# Altium PCB BoardM.PcbDoc (part 5 of 6)
Units mil, origin at the board's own origin, x right, y up, seen from the top; angles counter-clockwise.
Board outline 5068.79 x 4143.89 mil, 4 copper layers (Top Layer, GND, VCC, Bottom Layer); 308 components, 198 nets, 1036 pads, 534 vias.
Unrouted connection lines stored in the file: 1.
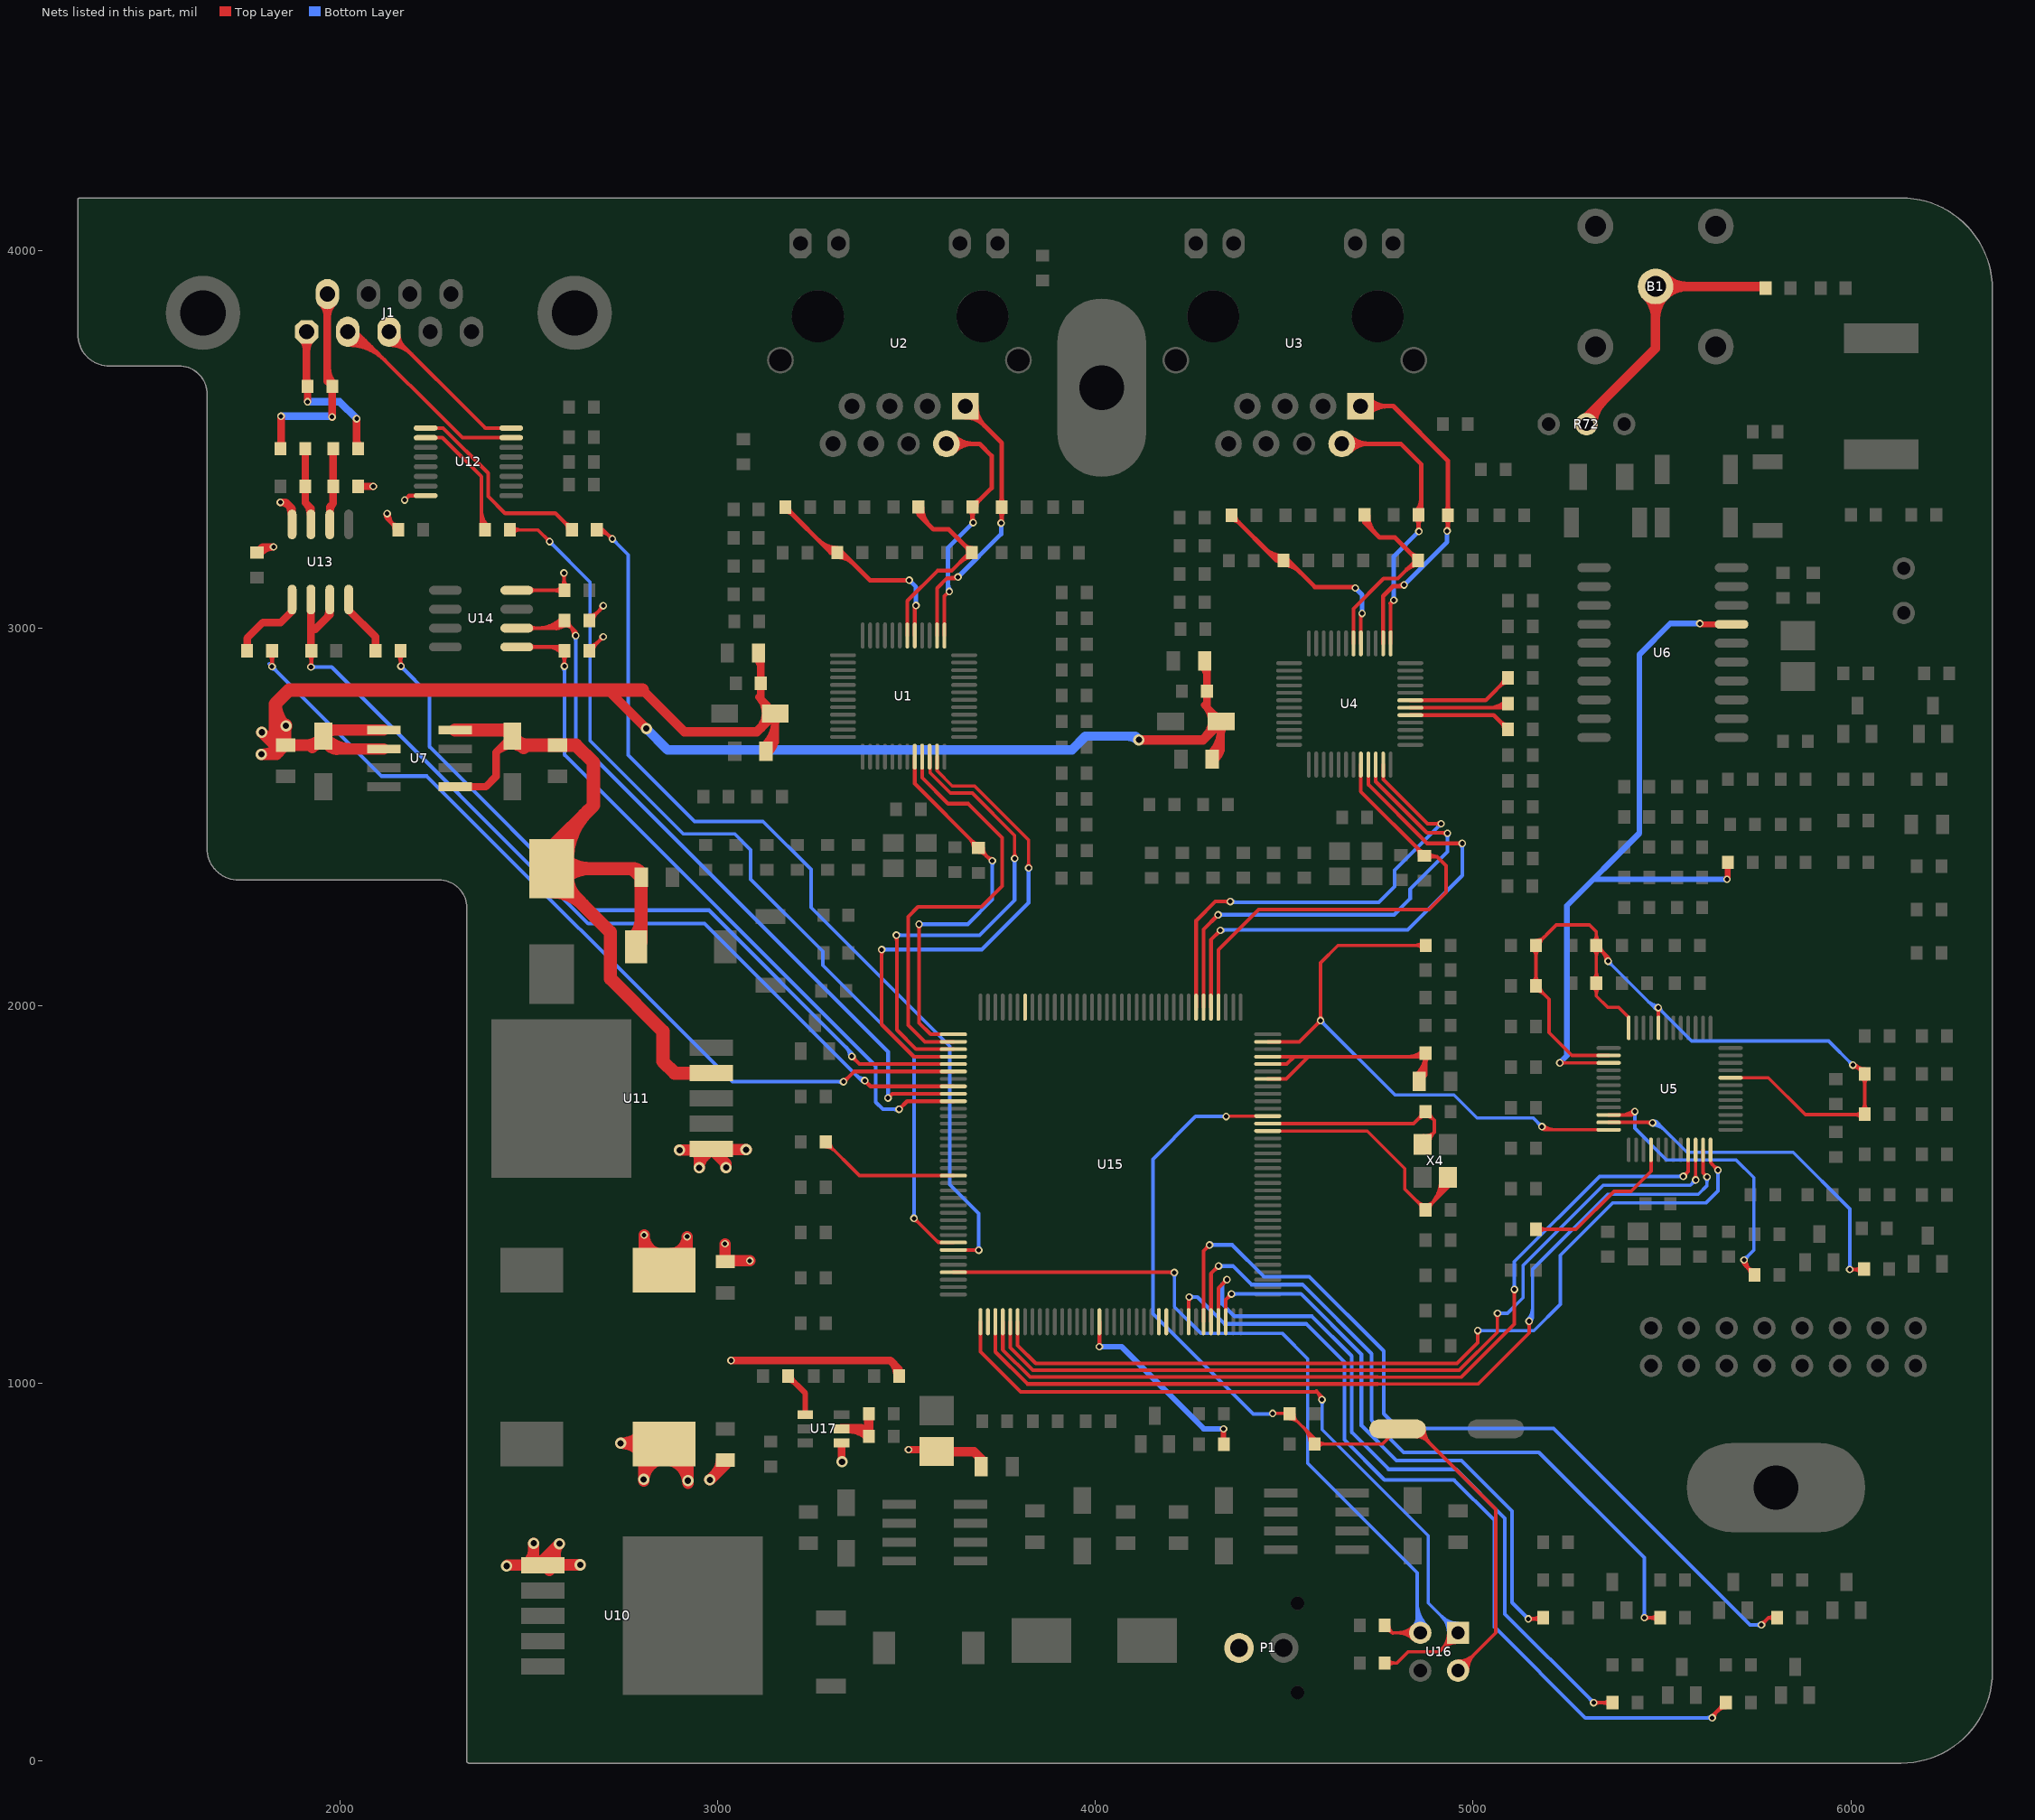
[diagram p7: the nets of this part, all layers, seen from the top]

## Via types
v1: diameter 20, hole 12, Top Layer to Bottom Layer, 480 vias
v2: diameter 30, hole 17, Top Layer to Bottom Layer, 54 vias

## Nets (pads, with @x,y where several pads share a name; then routed paths per layer and width w, separated by ;. In a path a pad name is that pad's centre, name@x,y a point inside that pad or via, vN(x,y) a via of type N, cw(c..) or ccw(c..) an arc to the next point about the centre after c; other vN are vias at no path point) (continued)
NetR38_1: R38.1 U4.43 | length 323.6
  Top Layer w10: U4.43@4833.63,2808.84 5032.81,2808.84 R38.1@5092,2868.03 ; 5070.29,2846.32 cw(c5092,2824.61) R38.1@5092,2855.31 ; 5075.04,2851.07 ccw(c5060.06,2866.06) R38.1@5081.25,2866.06
NetR39_2: R39.2 U4.41 | length 314.7
  Top Layer w10: U4.41@4833.43,2769.47 5054.32,2769.47 R39.2@5091.85,2731.94 ; 5070.14,2753.65 ccw(c5091.85,2775.36) R39.2@5091.85,2744.66 ; 5074.89,2748.9 cw(c5059.91,2733.91) R39.2@5081.1,2733.91
NetR40_2: R40.2 U4.42 | length 333.8
  Top Layer w10: U4.42@4833.43,2789.16 5080.74,2789.16 R40.2@5091.85,2800.26 ; 5043.84,2789.16 ccw(c5043.84,2846.31) R40.2@5084.25,2805.9 ; 5067.98,2789.16 ccw(c5067.98,2822.16) R40.2@5091.32,2798.82
NetR74_2: R74.2 U15.125 | length 525.8
  Top Layer w10: v1(4010.47,1097.47) U15.125@4010.47,1163.66
  Top Layer w15: v1(4339,880) 4339,840.59 R74.2@4340.15,839.44
  Bottom Layer w15: v1(4010.47,1097.47) 4069.53,1097.47 4287,880 v1(4339,880)
NetR75_2: R75.2 U15.92 | length 417.2
  Top Layer w9: R75.2@3286,1626.34 cw(c3286,1594.43) 3308.56,1616.99 ; R75.2@3286,1639.55 3375.08,1550.47 U15.92@3623.66,1550.47 ; R75.2@3297.25,1637.58 ccw(c3319.65,1637.58) 3303.81,1621.74
NetR79_2: R79.2 U15.142 | length 1626.2
  Top Layer w10: U15.142@4345.12,1163.66 4345.12,1222.12 v1(4360,1237) ; v1@4355,1237 cw(c4342.93,1237) 4351.46,1228.46 cw(c4360,1219.93) v1@4360,1232 ; v1(5146,377) R79.2@5182,377 ; v1@5149.54,373.46 cw(c5158.07,364.93) 5158.07,377 cw(c5158.07,389.07) v1@5149.54,380.54 ; 5156.56,377 ccw(c5156.56,406.47) R79.2@5177.4,385.63 ; 5161.54,377 cw(c5161.54,354.57) R79.2@5177.4,370.43
  Bottom Layer w10: v1(4360,1237) 4544,1237 4704,1077 4704,889 4797,796 4969,796 5103,662 5103,420 v1(5146,377) ; v1@4363.54,1233.46 cw(c4372.07,1224.93) 4372.07,1237 cw(c4372.07,1249.07) v1@4363.54,1240.54 ; v1@5141,377 ccw(c5128.93,377) 5137.46,385.54 ccw(c5146,394.07) v1@5146,382
NetR81_1: R81.1 U15.102 | length 2671
  Top Layer w9: R81.1@2679.87,3264.78 cw(c2680.41,3236.3) 2700.56,3256.44 ; R81.1@2680,3260 2697,3260 ; R81.1@2680.04,3255.78 cw(c2680.97,3206.93) v1@2715.52,3241.48 ; R81.1@2690.35,3255.6 cw(c2697,3252.78) 2697,3260 ; R81.1@2690.35,3264.4 ccw(c2697,3267.22) 2697,3260 ; v1@2715.5,3236 ccw(c2702.22,3236) 2711.61,3245.39 ccw(c2721,3254.78) v1@2721,3241.5 ; v1(2721,3236) 2697,3260 ; U15.102@3623.66,1353.62 v1@3690.38,1353.62 ; 3676.22,1353.62 cw(c3676.22,1338.22) v1@3687.11,1349.11 ; 3679.22,1353.62 ccw(c3679.22,1364.78) v1@3687.11,1356.89
  Bottom Layer w9: v1@2721,3230.5 cw(c2721,3217.22) 2730.39,3226.61 cw(c2739.78,3236) v1@2726.5,3236 ; v1(2721,3236) 2763,3194 2763,2664 2939,2488 3120,2488 3247,2361 3247,2260 3614,1893 3614,1527 3691,1450 v1(3691,1353) ; v1@3687.11,1356.89 ccw(c3677.72,1366.28) 3691,1366.28 ccw(c3704.28,1366.28) v1@3694.89,1356.89
NetR81_2: R81.2 U12.9 | length 575.7
  Top Layer w10: U12.9@2226.81,3529.57 2272.98,3529.57 2392,3410.54 2392,3349 2437,3304 2570,3304 R81.2@2614,3260 ; 2592.29,3281.71 ccw(c2614,3303.42) R81.2@2614,3272.72 ; 2597.04,3276.96 cw(c2582.06,3261.97) R81.2@2603.25,3261.97
NetR82_1: R82.1 U15.101 | length 2663.3
  Top Layer w9: R82.1@2450,3260 2524,3260 v1(2555,3229) ; R82.1@2457.95,3252.05 cw(c2477.16,3232.84) 2477.16,3260 cw(c2477.16,3287.16) R82.1@2457.95,3267.95 ; v1@2549.5,3229 ccw(c2536.22,3229) 2545.61,3238.39 ccw(c2555,3247.78) v1@2555,3234.5 ; v1@3519.5,1432 cw(c3519.5,1418.72) 3528.89,1428.11 cw(c3538.28,1437.5) v1@3525,1437.5 ; v1(3519.5,1437.5) 3583.69,1373.31 U15.101@3623.66,1373.31 ; 3576.51,1380.49 ccw(c3592.64,1396.61) U15.101@3592.64,1373.81
  Bottom Layer w9: v1@2555,3223.5 cw(c2555,3210.22) 2564.39,3219.61 cw(c2573.78,3229) v1@2560.5,3229 ; v1(2555,3229) 2662,3122 2662,2702 2909,2455 3045,2455 3087,2413 3087,2335.18 3278,2144.18 3278,2107 3519.5,1865.5 v1(3519.5,1437.5) ; v1@3515.61,1441.39 ccw(c3506.22,1450.78) 3519.5,1450.78 ccw(c3532.78,1450.78) v1@3523.39,1441.39
NetR82_2: R82.2 U12.10 | length 410.4
  Top Layer w10: U12.10@2226.81,3503.98 2271.02,3503.98 2374,3401 2374,3270 R82.2@2384,3260 ; 2374,3287.92 ccw(c2409.95,3287.92) R82.2@2384.53,3262.5 ; 2374,3312.06 ccw(c2434.09,3312.06) R82.2@2391.6,3269.57
NetR83_2: R83.2 U15.140 | length 2023.2
  Top Layer w10: U15.140@4305.75,1163.66 4305.75,1290.75 v1(4326,1311) ; v1@4321,1311 cw(c4308.93,1311) 4317.46,1302.46 cw(c4326,1293.93) v1@4326,1306 ; v1(5453,380) R83.2@5495,380 ; v1@5456.54,376.46 cw(c5465.07,367.93) 5465.07,380 cw(c5465.07,392.07) v1@5456.54,383.54 ; R83.2@5487.4,372.4 ccw(c5469.05,354.05) 5469.05,380 ccw(c5469.05,405.95) R83.2@5487.4,387.6
  Bottom Layer w10: v1(4326,1311) 4364,1311 4413,1262 4548,1262 4731,1079 4731,903 4816,818 5174,818 5453,539 v1(5453,380) ; v1@4329.54,1307.46 cw(c4338.07,1298.93) 4338.07,1311 cw(c4338.07,1323.07) v1@4329.54,1314.54 ; v1@5449.46,383.54 ccw(c5440.93,392.07) 5453,392.07 ccw(c5465.07,392.07) v1@5456.54,383.54
NetR84_2: R84.2 U15.139 | length 2344.2
  Top Layer w10: U15.139@4286.06,1163.66 4286.06,1351.06 v1(4302,1367) ; v1@4297,1367 cw(c4284.93,1367) 4293.46,1358.46 cw(c4302,1349.93) v1@4302,1362 ; v1(5763,361) 5782,380 ; v1@5763,366 ccw(c5763,378.07) 5771.54,369.54 ccw(c5780.07,361) v1@5768,361 ; R84.2@5796.75,373.11 ccw(c5782,360.77) 5782,380 ; R84.2@5796.75,386.89 cw(c5782,399.23) 5782,380 ; R84.2@5805,380 5782,380
  Bottom Layer w10: v1(4302,1367) 4362,1367 4446,1283 4566,1283 4763,1086 4763,920 4802,881 5213,881 5733,361 v1(5763,361) ; v1@4305.54,1363.46 cw(c4314.07,1354.93) 4314.07,1367 cw(c4314.07,1379.07) v1@4305.54,1370.54 ; v1@5759.46,357.46 ccw(c5750.93,348.93) 5750.93,361 ccw(c5750.93,373.07) v1@5759.46,364.54
NetR85_2: R85.2 U15.141 | length 2024.8
  Top Layer w10: U15.141@4325.43,1163.66 4325.43,1252.43 v1(4348,1275) ; v1@4343,1275 cw(c4330.93,1275) 4339.46,1266.46 cw(c4348,1257.93) v1@4348,1270 ; v1(5319,155) R85.2@5369,155 ; v1@5322.54,151.46 cw(c5331.07,142.93) 5331.07,155 cw(c5331.07,167.07) v1@5322.54,158.54 ; R85.2@5361.4,147.4 ccw(c5343.05,129.05) 5343.05,155 ccw(c5343.05,180.95) R85.2@5361.4,162.6
  Bottom Layer w10: v1(4348,1275) 4336,1263 4336,1210 4368,1178 4573,1178 4678,1073 4678,871 4776,773 4954,773 5084,643 5084,390 v1(5319,155) ; v1@5314,155 ccw(c5301.93,155) 5310.46,163.54 ccw(c5319,172.07) v1@5319,160
NetR86_2: R86.2 U15.137 | length 2360
  Top Layer w10: U15.137@4246.69,1163.66 v1@4246.69,1227.69 ; 4246.69,1213.77 cw(c4263.23,1213.77) v1@4251.54,1225.46 ; v1(5633,115) 5633,119 R86.2@5669,155 ; v1@5638,115 cw(c5659.73,115) 5644.36,130.36 ; 5647.29,133.29 cw(c5669,111.58) R86.2@5669,142.28 ; 5652.04,138.04 ccw(c5637.06,153.03) R86.2@5658.25,153.03
  Bottom Layer w10: v1(4248,1229) 4270,1229 4341,1158 4558,1158 4659,1057 4659,851 4765,745 4949,745 5057,637 5057,355 5297,115 v1(5633,115) ; v1@4251.54,1225.46 cw(c4260.07,1216.93) 4260.07,1229 cw(c4260.07,1241.07) v1@4251.54,1232.54 ; v1@5629.46,111.46 ccw(c5620.93,102.93) 5620.93,115 ccw(c5620.93,127.07) v1@5629.46,118.54
NetR91_1: R91.1 U15.77 | length 2141.8
  Top Layer w10: R91.1@2152.4,2930.43 cw(c2134.05,2912.08) 2160,2912.08 cw(c2185.95,2912.08) R91.1@2167.6,2930.43 ; v1@2160,2900 R91.1@2160,2940 ; 2160,2913.49 ccw(c2175.49,2913.49) v1@2164.54,2902.54 ; v1@3355,1861 cw(c3355,1848.93) 3363.54,1857.46 cw(c3372.07,1866) v1@3360,1866 ; v1(3355,1866) 3375.25,1845.75 U15.77@3623.66,1845.75
  Bottom Layer w10: v1@2161,2894 cw(c2161,2881.93) 2169.54,2890.46 cw(c2178.07,2899) v1@2166,2899 ; v1(2161,2899) 2237,2823 2237,2686 2670,2253 2977,2253 3355,1875 v1(3355,1866) ; 3340.1,1889.9 cw(c3316.2,1866) v1@3350,1866
NetR91_2: R91.2 U13.4 | length 165
  Top Layer w20: U13.4@2023,3075.59 2023,3048 2094,2977 R91.2@2094,2940
NetR92_2: R92.2 R93.2 U13.6 | length 234.2
  Top Layer w20: U13.6@1973,3274.41 1973,3321 1982,3330 ; U13.6@1974.75,3302.45 cw(c2001.99,3310.01) 1982,3330 ; R93.2@1982,3475 R92.2@1982,3375 1982,3330
NetR94_2: R94.2 U13.2 U13.3 U15.80 | length 2588.7
  Top Layer w10: R94.2@1916.4,2930.43 cw(c1898.05,2912.08) 1924,2912.08 cw(c1949.95,2912.08) R94.2@1931.6,2930.43 ; v1@1919.46,2900.54 ccw(c1908.51,2911.49) 1924,2911.49 ; v1@1924,2898 R94.2@1924,2940 ; v1@3389,1797 cw(c3389,1784.93) 3397.54,1793.46 cw(c3406.07,1802) v1@3394,1802 ; v1(3389,1802) 3404.31,1786.69 U15.80@3623.66,1786.69
  Top Layer w20: R94.2@1923,2941 U13.2@1923,3075.59 ; 1923,2958.26 ccw(c1940.29,2958.26) R94.2@1928.06,2946.03 ; 1935,2997 1973,3035 U13.3@1973,3075.59 ; 1960.69,3022.69 ccw(c1935.36,3048.03) U13.3@1971.19,3048.03
  Bottom Layer w10: v1(1923,2897) 1978,2897 2657,2218 2965,2218 3381,1802 v1(3389,1802) ; v1@1926.54,2893.46 cw(c1935.07,2884.93) 1935.07,2897 cw(c1935.07,2909.07) v1@1926.54,2900.54 ; 3366.81,1816.19 ccw(c3389,1838.38) v1@3389,1807
NetR96_2: R96.2 U14.5 U15.82 | length 2082
  Top Layer w10: U14.5@2467.98,2950 R96.2@2584,2950 ; U14.5@2504.29,2945.18 cw(c2515.92,2933.56) 2515.92,2950 cw(c2515.92,2966.44) U14.5@2504.29,2954.82 ; 2548.66,2950 cw(c2548.66,2896.63) R96.2@2586.4,2934.37 ; 2572.8,2950 cw(c2572.8,2920.77) R96.2@2593.47,2941.44 ; R96.2@2586.4,2930.43 cw(c2568.05,2912.08) 2594,2912.08 cw(c2619.95,2912.08) R96.2@2601.6,2930.43 ; v1@2590.46,2902.54 ccw(c2581.93,2911.07) 2594,2911.07 ccw(c2606.07,2911.07) v1@2597.54,2902.54 ; v1(2594,2899) R96.2@2594,2940 ; v1(3480,1726) 3501.32,1747.32 U15.82@3623.66,1747.32 ; v1@3480,1731 ccw(c3480,1743.07) 3488.54,1734.54 ccw(c3497.07,1726) v1@3485,1726
  Bottom Layer w10: v1@2590.46,2895.46 cw(c2581.93,2886.93) 2594,2886.93 cw(c2606.07,2886.93) v1@2597.54,2895.46 ; v1(2594,2899) 2594,2664.47 3418,1840.47 3418,1745 3437,1726 v1(3480,1726) ; v1@3476.46,1722.46 ccw(c3467.93,1713.93) 3467.93,1726 ccw(c3467.93,1738.07) v1@3476.46,1729.54
NetR97_2: R97.2 R99.1 U13.7 | length 238.7
  Top Layer w20: R97.2@1908.15,3475 1908.15,3331.85 1923,3317 U13.7@1923,3274.41 ; 1909.28,3330.72 cw(c1880.53,3301.97) U13.7@1921.19,3301.97
NetR98_1: R98.1 U15.78 | length 2438.3
  Top Layer w10: R98.1@1812.4,2930.43 cw(c1794.05,2912.08) 1820,2912.08 cw(c1845.95,2912.08) R98.1@1827.6,2930.43 ; v1@1816.46,2901.54 ccw(c1807.93,2910.07) 1820,2910.07 ccw(c1832.07,2910.07) v1@1823.54,2901.54 ; v1(1820,2898) R98.1@1820,2940 ; v1@3333,1804 ccw(c3333,1818.49) 3343.24,1808.24 ; v1@3333.5,1798.5 3361.06,1826.06 U15.78@3623.66,1826.06 ; v1@3338,1799 cw(c3347.66,1799) 3340.83,1805.83
  Bottom Layer w10: v1@1813,2905 v1(1820,2898) 2110,2608 2230,2608 3039,1799 v1(3333,1799) ; v1@1820,2893 cw(c1820,2880.93) 1828.54,2889.46 cw(c1837.07,2898) v1@1825,2898 ; v1@3329.46,1795.46 ccw(c3320.93,1786.93) 3320.93,1799 ccw(c3320.93,1811.07) v1@3329.46,1802.54
NetR98_2: R98.2 U13.1 | length 212.4
  Top Layer w20: R98.2@1754,2940 1754,2973 1796,3015 1843,3015 1873,3045 U13.1@1873,3075.59
NetR100_2: R100.2 U14.6 U15.81 | length 2252.3
  Top Layer w10: U14.6@2467.98,3000 2574,3000 R100.2@2594,3020 2624,2990 v1(2624,2980) ; U14.6@2504.29,2995.18 cw(c2515.92,2983.56) 2515.92,3000 cw(c2515.92,3016.44) U14.6@2504.29,3004.82 ; 2524.52,3000 ccw(c2524.52,3087.51) R100.2@2586.4,3025.63 ; 2548.66,3000 ccw(c2548.66,3063.37) R100.2@2593.47,3018.56 ; 2572.8,3000 ccw(c2572.8,3039.23) R100.2@2600.54,3011.49 ; 2573.02,2999.02 cw(c2593.01,2979.03) R100.2@2593.73,3007.29 ; 2577.04,3003.04 ccw(c2562.06,3018.03) R100.2@2583.25,3018.03 ; R100.2@2594,3007.28 cw(c2594,2976.58) 2615.71,2998.29 ; R100.2@2604.75,3018.03 ccw(c2625.94,3018.03) 2610.96,3003.04 ; R100.2@2608.39,3005.61 cw(c2582.79,2980) v1@2619,2980 ; v1(3451,1756) 3462.01,1767.01 U15.81@3623.66,1767.01
  Bottom Layer w10: v1@2620.46,2976.46 cw(c2611.93,2967.93) 2624,2967.93 cw(c2636.07,2967.93) v1@2627.54,2976.46 ; v1(2624,2980) 2624,2705 3451,1878 v1(3451,1756) ; v1@3447.46,1759.54 ccw(c3438.93,1768.07) 3451,1768.07 ccw(c3463.07,1768.07) v1@3454.54,1759.54
NetR103_2: R103.2 R105.1 U17.5 | length 194.5
  Top Layer w25: U17.5@3328.23,880 3379.85,880 R103.2@3399.85,860 3399.85,919.85 R105.1@3400,920 ; U17.5@3348.48,880 cw(c3348.48,810.6) R103.2@3397.55,859.67
NetR110_2: R110.2 U17.1 | length 152.8
  Top Layer w15: R110.2@3186,1009.78 cw(c3186,985.12) 3203.44,1002.56 ; R110.2@3186,1020 3231.77,974.23 U17.1@3231.77,917.4 ; R110.2@3194.25,1018.03 ccw(c3209.41,1018.03) R110.2@3198.69,1007.31
NetU15_66: U15.66
NRST: C118.2 K1.2 R101.1 U15.25 U16.2 | length 2807.8
  Top Layer w9: v1@4346.95,1707.95 U15.25@4456.34,1707.95 ; v1(4469,921) 4513,921 4580,854 R101.1@4580,840 4760,840 K1.2@4800,880 4847,880 5060,667 5060,340 U16.2@4960,240 ; C118.2@4514,906.78 cw(c4514,874.88) 4536.56,897.44 ; C118.2@4525.25,918.03 ccw(c4547.65,918.03) 4531.81,902.19 ; 4552.29,881.71 cw(c4512.55,841.97) R101.1@4568.75,841.97 ; 4567.65,866.35 cw(c4543.28,841.97) R101.1@4577.75,841.97 ; R101.1@4587.95,832.05 cw(c4607.16,812.84) 4607.16,840 cw(c4607.16,867.16) R101.1@4587.95,847.95 ; K1.2@4850,859.5 cw(c4850,817.25) 4879.87,847.13 ; K1.2@4861.5,880 ccw(c4896.51,880) 4871.75,855.25 ; K1.2@4870.5,880 ccw(c4927.23,880) 4887.12,839.88 ; U16.2@4960,256.03 ccw(c4960,294.72) 4987.36,267.36 ccw(c5014.72,240) U16.2@4976.03,240 ; U16.2@4960,265.03 ccw(c4960,325.45) 5002.72,282.72 ccw(c5045.45,240) U16.2@4985.03,240
  Bottom Layer w9: v1(4346,1707) 4265,1707 4152,1594 4152,1185 4418,919 v1@4467,919
NTRST: U15.134
OSC_IN: C119.2 U15.23 X4.1 | length 944
  Top Layer w9: U15.23@4456.34,1668.58 4719.42,1668.58 4819,1569 4819,1515 C119.2@4874,1460 4933,1519 X4.1@4933,1546 ; 4851.44,1482.56 ccw(c4874,1505.12) 4874,1473.22 ccw(c4874,1505.12) 4896.56,1482.56 ; 4856.19,1477.81 cw(c4840.35,1461.97) C119.2@4862.75,1461.97 ; C119.2@4885.25,1461.97 cw(c4907.65,1461.97) 4891.81,1477.81 ; C119.2@4885.54,1471.54 ccw(c4817.07,1540) X4.1@4913.88,1541.72 ; 4900.52,1486.52 ccw(c4846.52,1540.53) X4.1@4922.88,1541.88 ; 4915.51,1501.51 ccw(c4875.97,1541.05) X4.1@4931.88,1542.04 ; 4930.49,1516.49 ccw(c4905.42,1541.57) X4.1@4940.88,1542.2
OSC_OUT: C117.2 U15.24 X4.3 | length 707.4
  Top Layer w9: U15.24@4456.34,1688.27 4842.27,1688.27 C117.2@4874,1720 4897,1697 4897,1665.47 ; 4851.44,1697.44 cw(c4874,1674.88) 4874,1706.78 cw(c4874,1674.88) 4896.56,1697.44 ; 4856.19,1702.19 ccw(c4840.35,1718.03) C117.2@4862.75,1718.03 ; X4.3@4866.07,1632.61 4866.07,1634.54 4897,1665.47 ; X4.3@4867.27,1646.6 ccw(c4869.65,1666.6) X4.3@4883.89,1652.36 ; X4.3@4868.33,1655.54 ccw(c4872.43,1690.04) 4897,1665.47 ; X4.3@4885.19,1636.69 cw(c4925.5,1636.97) 4897,1665.47 ; C117.2@4885.25,1718.03 ccw(c4907.65,1718.03) 4891.81,1702.19
RS232_RX: J1.2 U12.7 | length 874.3
  Top Layer w10: J1.2@2020.62,3749.45 cw(c2020.62,3609.6) 2119.51,3708.49 ; J1.2@2020.62,3759.45 cw(c2020.62,3643.74) 2102.44,3725.56 ; J1.2@2020.62,3769.45 cw(c2020.62,3677.89) 2085.37,3742.63 ; J1.2@2020.62,3779.45 cw(c2020.62,3712.03) 2068.3,3759.7 ; J1.2@2020.62,3784.45 2043.55,3784.45 2324.02,3503.98 U12.7@2453.19,3503.98
RS232_TX: J1.3 U12.8 | length 575
  Top Layer w10: J1.3@2129.79,3749.45 cw(c2129.79,3664.95) 2189.54,3724.7 ; J1.3@2129.79,3759.45 cw(c2129.79,3699.09) 2172.47,3741.77 ; J1.3@2129.79,3784.45 2384.67,3529.57 U12.8@2453.19,3529.57 ; J1.3@2155.79,3775.45 ccw(c2196.83,3775.45) 2167.81,3746.43
RS485_N: J1.1 R93.1 R95.2 | length 529.1
  Top Layer w20: J1.1@1896.61,3769.6 cw(c1860.76,3733.75) 1911.46,3733.75 cw(c1962.16,3733.75) J1.1@1926.31,3769.6 ; 1911.46,3661.98 ccw(c1934.02,3661.98) R95.2@1918.06,3646.03 ; J1.1@1911.46,3784.45 1911.46,3642.54 R95.2@1914,3640 v1(1914,3599) ; R93.1@2044,3479 v1(2044,3554) ; 2044,3500.5 ccw(c2071.53,3500.5) R93.1@2052.06,3481.03
  Bottom Layer w20: v1(1914,3599) 1999,3599 v1(2044,3554)
RS485_P: J1.6 R95.1 R97.1 | length 703.5
  Top Layer w20: R97.1@1838.09,3481.03 ccw(c1823.81,3495.31) 1844,3495.31 ; R97.1@1844,3476.85 v1(1844,3561) ; J1.6@1951.61,3860.6 cw(c1915.76,3824.75) 1966.46,3824.75 cw(c2017.16,3824.75) J1.6@1981.31,3860.6 ; 1966.46,3688.54 ccw(c2026.57,3688.54) R95.1@1984.06,3646.03 ; J1.6@1966.46,3884.45 1966.46,3653.54 R95.1@1980,3640 ; v1(1979,3559) R95.1@1979,3639 ; 1979,3621.74 cw(c1996.29,3621.74) R95.1@1984.06,3633.97
  Bottom Layer w20: v1(1844,3561) v1@1977,3561
RST_SM2200: R51.1 U5.24 U15.35 | length 1669.8
  Top Layer w9: U15.35@4456.34,1904.8 4539.8,1904.8 v1(4596,1961) 4596,2114 4642,2160 R51.1@4874.15,2160 ; v1@4590.5,1961 cw(c4577.22,1961) 4586.61,1951.61 cw(c4596,1942.22) v1@4596,1955.5 ; v1@4592.11,1964.89 ccw(c4582.72,1974.28) 4596,1974.28 ccw(c4609.28,1974.28) v1@4599.89,1964.89 ; R51.1@4866.2,2152.05 ccw(c4846.99,2132.84) 4846.99,2160 ccw(c4846.99,2187.16) R51.1@4866.2,2167.95 ; v1@5179.53,1677.53 ccw(c5193.51,1691.51) 5193.51,1671.73 ; v1(5182,1680) 5190.27,1671.73 U5.24@5358.58,1671.73 ; v1@5185.89,1683.89 ccw(c5215.24,1713.24) 5215.24,1671.73
  Bottom Layer w9: v1@4596,1955.5 cw(c4596,1942.22) 4605.39,1951.61 cw(c4614.78,1961) v1@4601.5,1961 ; v1(4596,1961) 4793,1764 4949,1764 5010,1703 5159,1703 v1(5182,1680) ; v1@5176.5,1680 ccw(c5163.22,1680) 5172.61,1689.39 ccw(c5182,1698.78) v1@5182,1685.5
RX1_N: C7.1 R6.2 U1.5 | length 777.7
  Top Layer w10: U1.5@3521.53,2980.43 v1@3521.53,3056.53
  Top Layer w12: C7.1@3179,3308.28 cw(c3179,3280) 3199,3300 ; C7.1@3179,3320 3299,3200 ; C7.1@3188.75,3318.03 ccw(c3207.53,3318.03) C7.1@3194.25,3304.75 ; 3266.38,3232.62 ccw(c3316.85,3283.1) R6.2@3316.85,3211.72 ; 3286.86,3212.14 ccw(c3316.85,3242.13) R6.2@3316.85,3199.72 ; R6.2@3308.65,3194.73 ccw(c3299,3188.53) 3299,3200 ; R6.2@3308.65,3205.27 cw(c3299,3211.47) 3299,3200 ; R6.2@3316.85,3188.28 cw(c3316.85,3129.25) 3358.59,3170.99 ; R6.2@3316.85,3200.28 cw(c3316.85,3170.22) 3338.11,3191.48 ; v1(3507,3127) 3402.59,3127 3329.59,3200 R6.2@3316.85,3200 3299,3200
  Bottom Layer w12: v1(3507,3127) 3525,3109 v1(3525,3060)
RX1_P: C4.1 R4.1 U1.6 | length 717.5
  Top Layer w10: U1.6@3501.84,2980.43 3501.84,3072.16 3581.69,3152 3619.06,3152 R4.1@3667.06,3200
  Top Layer w12: C4.1@3529.1,3318.59 ccw(c3566.97,3318.59) 3540.19,3291.81 ; C4.1@3531.35,3320.56 3531.35,3300.65 ; C4.1@3541.1,3318.59 ccw(c3607.95,3318.59) 3560.68,3271.32 ; 3642.96,3175.9 cw(c3672.85,3146.02) R4.1@3672.85,3188.28 ; 3652.85,3220 ccw(c3672.85,3240) R4.1@3672.85,3211.72 ; R4.1@3657.6,3215.25 cw(c3644.32,3201.97) R4.1@3663.1,3201.97 ; R4.1@3667.06,3200 R4.1@3672.85,3200 3611.85,3261 3571,3261 3531.35,3300.65 ; 3531.35,3300.65 cw(c3542.98,3300.65) 3536.65,3310.41 ccw(c3542.98,3300.65) 3531.35,3300.65 ; 3531.35,3300.65 ccw(c3519.72,3300.65) 3526.05,3310.41 cw(c3519.72,3300.65) 3531.35,3300.65
RX2_N: C31.1 R26.2 U4.5 | length 777.7
  Top Layer w10: U4.5@4702.53,2959.43 v1@4702.53,3035.53
  Top Layer w12: C31.1@4360,3287.28 cw(c4360,3259) 4380,3279 ; C31.1@4360,3299 4480,3179 ; C31.1@4369.75,3297.03 ccw(c4388.53,3297.03) C31.1@4375.25,3283.75 ; 4447.38,3211.62 ccw(c4497.85,3262.1) R26.2@4497.85,3190.72 ; 4467.86,3191.14 ccw(c4497.85,3221.13) R26.2@4497.85,3178.72 ; R26.2@4489.65,3173.73 ccw(c4480,3167.53) 4480,3179 ; R26.2@4489.65,3184.27 cw(c4480,3190.47) 4480,3179 ; R26.2@4497.85,3167.28 cw(c4497.85,3108.25) 4539.59,3149.99 ; R26.2@4497.85,3179.28 cw(c4497.85,3149.22) 4519.11,3170.48 ; v1(4688,3106) 4685,3109 4580.59,3109 4510.59,3179 R26.2@4497.85,3179 4480,3179
  Bottom Layer w12: v1(4688,3106) 4706,3088 v1(4706,3039)
RX2_P: C28.1 R24.1 U4.6 | length 717.5
  Top Layer w10: U4.6@4682.84,2959.43 4682.84,3051.16 4762.69,3131 4800.06,3131 R24.1@4848.06,3179
  Top Layer w12: C28.1@4710.1,3297.59 ccw(c4747.97,3297.59) 4721.19,3270.81 ; C28.1@4712.35,3299.56 4712.35,3279.65 ; C28.1@4722.1,3297.59 ccw(c4788.95,3297.59) 4741.68,3250.32 ; 4823.96,3154.9 cw(c4853.85,3125.02) R24.1@4853.85,3167.28 ; 4833.85,3199 ccw(c4853.85,3219) R24.1@4853.85,3190.72 ; R24.1@4838.6,3194.25 cw(c4825.32,3180.97) R24.1@4844.1,3180.97 ; R24.1@4848.06,3179 R24.1@4853.85,3179 4792.85,3240 4752,3240 4712.35,3279.65 ; 4712.35,3279.65 cw(c4723.98,3279.65) 4717.65,3289.41 ccw(c4723.98,3279.65) 4712.35,3279.65 ; 4712.35,3279.65 ccw(c4700.72,3279.65) 4707.05,3289.41 cw(c4700.72,3279.65) 4712.35,3279.65